# Altium PCB systems_pcb.PcbDoc (part 2 of 2)
Units mm, origin at the board's own origin, x right, y up, seen from the top; angles counter-clockwise.
Board outline 95.88 x 90.17 mm, 4 copper layers (TOP, GND, VCC, BOT), stack 0.778 mm thick; 87 components, 80 nets, 333 pads, 509 vias.
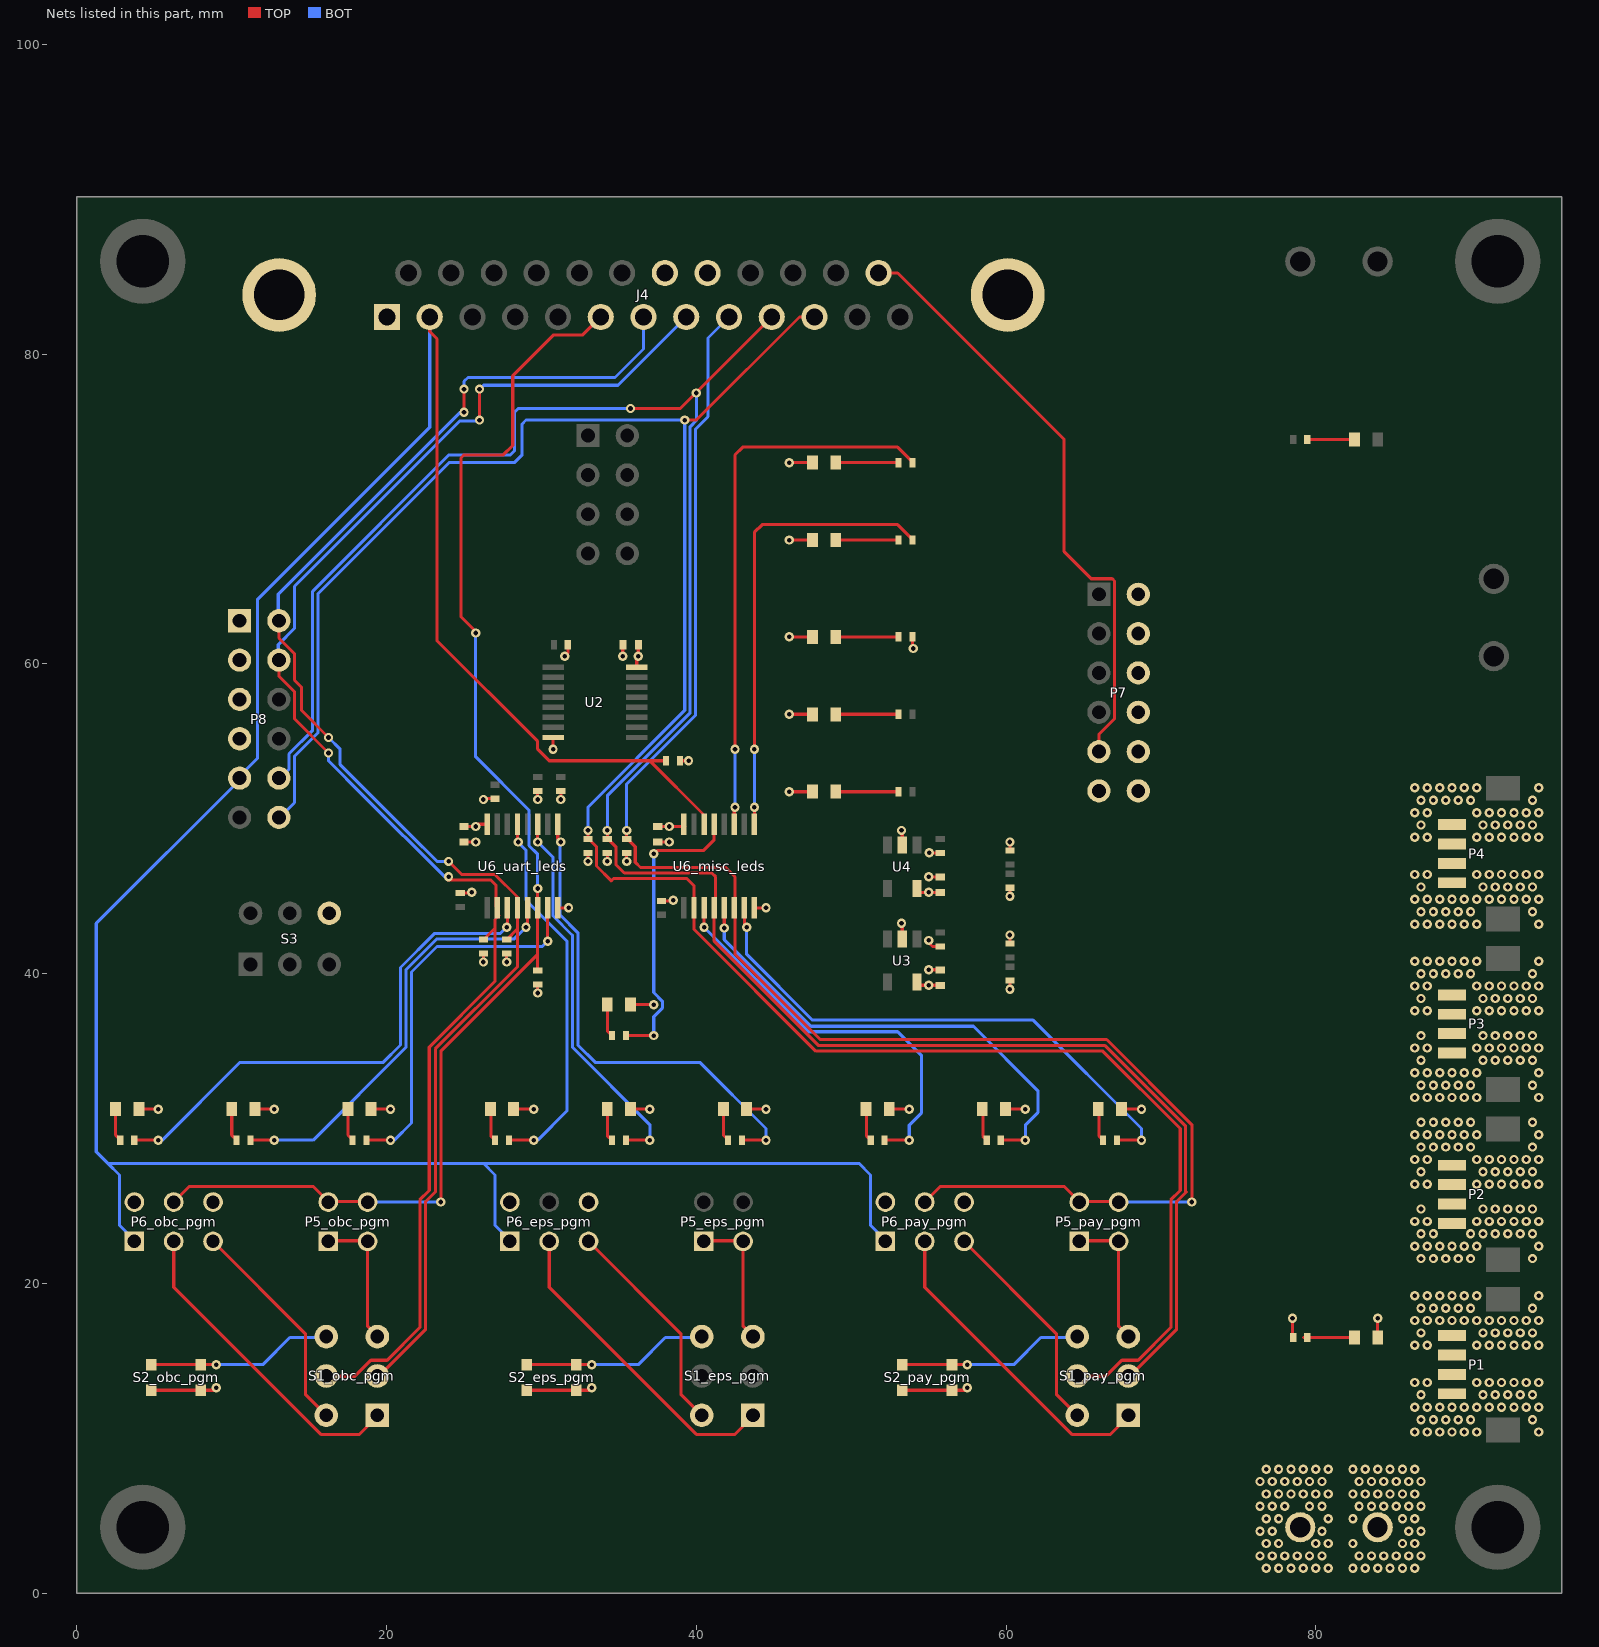
[diagram p4: the nets of this part, all layers, seen from the top]

## Via types
v1: diameter 0.6, hole 0.3, TOP to BOT, tented both sides, 509 vias

## Nets (pads, with @x,y where several pads share a name; then routed paths per layer and width w, separated by ;. In a path a pad name is that pad's centre, name@x,y a point inside that pad or via, vN(x,y) a via of type N, cw(c..) or ccw(c..) an arc to the next point about the centre after c; other vN are vias at no path point) (continued)
GND: C2.1 C3.1 C4.1 C8_misc_leds.1 C8_uart_leds.1 D1_misc_leds.2 D1_uart_leds.2 D2_misc_leds.2 D2_uart_leds.2 D3_misc_leds.2 D3_uart_leds.2 D4_misc_leds.2 D4_uart_leds.2 D5_misc_leds.2 D5_uart_leds.2 D6_misc_leds.2 D6_uart_leds.2 D9.2 D10.2 D11.2 J4.1 J4.20 J4.26 J4.27 P6_eps_pgm.6 P6_obc_pgm.6 P6_pay_pgm.6 P7.8 P7.10 P7.11 P7.12 P8.5 P8.7 R11.1 R12.1 R13.1 R15.1 R16.1 R18.1 R18_misc_leds.1 R18_uart_leds.1 R19.1 R20.1 R28.1 R29.1 S2_eps_pgm.2 S2_obc_pgm.2 S2_pay_pgm.2 U2.8 U3.2 U4.2 U6_misc_leds.8 U6_uart_leds.8 | length 50.2
  TOP w0.2: D1_uart_leds.2@4,31.27 4.02,31.25 v1(5.25,31.25) v1@5.46,31.25 ; S2_obc_pgm.2@4.75,13 4.85,13.1 S2_obc_pgm.2@8,13.1 8.85,13.1 v1(9,13.25) ; D2_uart_leds.2@11.5,31.27 11.52,31.25 v1(12.75,31.25) v1@12.96,31.25 ; D3_uart_leds.2@19,31.27 19.02,31.25 v1(20.25,31.25) v1@20.46,31.25 ; R18_uart_leds.1@24.75,45.2 25.7,45.2 25.65,45.25 v1(25.5,45.25) ; C8_uart_leds.1@25,48.5 v1(25.75,48.5) ; v1(27.75,40.75) R11.1@27.75,41.3 ; D6_uart_leds.2@28.2,31.23 28.22,31.25 v1(29.5,31.25) v1@29.71,31.25 ; S2_eps_pgm.2@29,13 29.1,13.1 S2_eps_pgm.2@32.25,13.1 33.1,13.1 v1(33.25,13.25) ; v1(29.75,38.75) R12.1@29.75,39.3 ; v1(29.75,51.25) R16.1@29.75,51.8 ; v1(30.75,54.5) U2.8@30.75,55.25 ; U6_uart_leds.8@31.05,44.25 v1(31.75,44.25) ; v1(31.25,51.25) R15.1@31.25,51.8 ; v1(31.5,60.5) 31.7,60.7 R13.1@31.7,61.25 ; v1(34.25,47.25) R18.1@34.25,47.75 ; v1(35.25,60.5) C2.1@35.25,61.25 ; v1(35.5,47.25) R19.1@35.5,47.8 ; D5_uart_leds.2@35.75,31.23 35.77,31.25 v1(37,31.25) v1@37.21,31.25 ; D6_misc_leds.2@35.75,38 v1(37.25,38) ; C8_misc_leds.1@37.5,48.5 v1(38.25,48.5) ; R18_misc_leds.1@37.75,44.7 38.45,44.7 v1(38.5,44.75) ; R20.1@38.95,53.75 v1(39.5,53.75) ; D4_uart_leds.2@43.25,31.25 v1(44.5,31.25) ; U6_misc_leds.8@43.75,44.25 v1(44.5,44.25) ; v1(46,51.75) D11.2@47.5,51.75 ; v1(46,56.75) D10.2@47.5,56.75 ; v1(46,61.75) D9.2@47.5,61.75 ; v1(46,68) D4_misc_leds.2@47.5,68 ; v1(46,73) D5_misc_leds.2@47.5,73 ; D1_misc_leds.2@52.46,31.25 v1(53.75,31.25) ; S2_pay_pgm.2@53.25,13 53.35,13.1 S2_pay_pgm.2@56.5,13.1 57.35,13.1 v1(57.5,13.25) ; v1(53.25,43.25) 53.3,43.2 U3.2@53.3,42.25 ; v1(53.25,49.25) 53.3,49.2 U4.2@53.3,48.3 ; v1(55,40.25) C3.1@55.75,40.25 ; v1(55,46.25) C4.1@55.75,46.25 ; D2_misc_leds.2@59.96,31.25 v1(61.25,31.25) ; v1(60.25,39) R28.1@60.25,39.55 ; v1(60.25,45) R29.1@60.25,45.55 ; D3_misc_leds.2@67.46,31.25 v1(68.75,31.25)
LED1_misc_leds: D1_misc_leds.1 R19_misc_leds.1 | length 2.1
  TOP w0.2: D1_misc_leds.1@51,31.25 51,29.51 R19_misc_leds.1@51.26,29.25
LED1_uart_leds: D1_uart_leds.1 R19_uart_leds.1 | length 2.1
  TOP w0.2: D1_uart_leds.1@2.5,31.27 2.5,29.57 R19_uart_leds.1@2.8,29.27
LED2_misc_leds: D2_misc_leds.1 R20_misc_leds.1 | length 2.1
  TOP w0.2: D2_misc_leds.1@58.5,31.25 58.5,29.51 R20_misc_leds.1@58.76,29.25
LED2_uart_leds: D2_uart_leds.1 R20_uart_leds.1 | length 2.1
  TOP w0.2: D2_uart_leds.1@10,31.27 10,29.57 R20_uart_leds.1@10.3,29.27
LED3_misc_leds: D3_misc_leds.1 R21_misc_leds.1 | length 2.1
  TOP w0.2: D3_misc_leds.1@66,31.25 66,29.51 R21_misc_leds.1@66.26,29.25
LED3_uart_leds: D3_uart_leds.1 R21_uart_leds.1 | length 2.1
  TOP w0.2: D3_uart_leds.1@17.5,31.27 17.5,29.57 R21_uart_leds.1@17.8,29.27
LED4_misc_leds: D4_misc_leds.1 R22_misc_leds.1 | length 4
  TOP w0.2: D4_misc_leds.1@49,68 R22_misc_leds.1@53,68
LED4_uart_leds: D4_uart_leds.1 R22_uart_leds.1 | length 2.1
  TOP w0.2: D4_uart_leds.1@41.75,31.25 41.75,29.55 R22_uart_leds.1@42.05,29.25
LED5_misc_leds: D5_misc_leds.1 R23_misc_leds.1 | length 4
  TOP w0.2: D5_misc_leds.1@49,73 R23_misc_leds.1@53,73
LED5_uart_leds: D5_uart_leds.1 R23_uart_leds.1 | length 2.1
  TOP w0.2: D5_uart_leds.1@34.25,31.25 34.25,29.53 R23_uart_leds.1@34.55,29.23
LED6_misc_leds: D6_misc_leds.1 R24_misc_leds.1 | length 2.1
  TOP w0.2: D6_misc_leds.1@34.25,38 34.25,36.3 R24_misc_leds.1@34.55,36
LED6_uart_leds: D6_uart_leds.1 R24_uart_leds.1 | length 2.1
  TOP w0.2: D6_uart_leds.1@26.75,31.25 26.75,29.48 R24_uart_leds.1@27,29.23
MISO_A: J4.2 P6_eps_pgm.1 P6_obc_pgm.1 P6_pay_pgm.1 P8.9 R20.2 U6_misc_leds.14 | length 173.6
  TOP w0.2: J4.2@22.781,82.41 22.781,81.469 23.255,80.995 23.255,61.496 29.75,55.002 29.75,54.5 30.5,53.75 37,53.75 ; R20.2@38,53.75 37,53.75 ; U6_misc_leds.14@40.5,50.25 37,53.75
  BOT w0.2: P6_obc_pgm.1@3.75,22.75 2.75,23.75 2.75,27 2,27.75 ; P8.9@10.5,52.5 1.25,43.25 1.25,28.5 2,27.75 ; P8.9@10.5,52.75 11.648,53.898 11.648,64.148 22.781,75.281 J4.2@22.781,82.41 ; P6_eps_pgm.1@28,22.75 27,23.75 27,27 26.25,27.75 ; P6_pay_pgm.1@52.25,22.75 51.25,23.75 51.25,27 50.5,27.75 26.25,27.75 ; 2,27.75 26.25,27.75
NetD1_1: D1.1 R1.2 | length 3.3
  TOP w0.2: 79.2,16.5 D1.1@82.5,16.5
NetD2_1: D2.1 R2.1 | length 3
  TOP w0.2: R2.1@79.5,74.5 D2.1@82.5,74.5
NetD9_1: D9.1 R21.1 | length 4
  TOP w0.2: D9.1@49,61.75 R21.1@53,61.75
NetD10_1: D10.1 R22.1 | length 4
  TOP w0.2: D10.1@49,56.75 R22.1@53,56.75
NetD11_1: D11.1 R23.1 | length 4
  TOP w0.2: D11.1@49,51.75 R23.1@53,51.75
OBC_MOSI_A/TX: J4.6 P5_obc_pgm.2 P5_obc_pgm.4 P6_obc_pgm.4 R12.2 U6_uart_leds.6 | length 86.8
  TOP w0.2: P6_obc_pgm.4@6,25.25 P6_obc_pgm.4@6.04,25.29 ; P6_obc_pgm.4@6.25,25.25 7.25,26.25 15.27,26.25 P5_obc_pgm.2@16.23,25.29 ; P5_obc_pgm.2@16.25,25.25 16.29,25.29 P5_obc_pgm.4@18.77,25.29 ; v1(23.5,25.25) 23.5,35 29.75,41.25 ; v1(25.75,62) 25.75,62.1 24.8,63.05 24.8,73.3 25,73.5 27.531,73.5 28.143,74.112 28.143,78.607 30.787,81.25 32.665,81.25 J4.6@33.825,82.41 ; R12.2@29.75,40.25 29.75,41.25 ; U6_uart_leds.6@29.75,43.75 29.75,41.25 ; U6_uart_leds.6@29.75,44.75 v1(29.75,45.5)
  BOT w0.2: P5_obc_pgm.4@19.155,24.905 19.125,24.875 18.75,25.25 v1(23.5,25.25) ; v1(25.75,62) 25.75,54 29.198,50.552 29.198,48.271 29.75,47.719 v1(29.75,45.5)
OBC_RST: J4.8 P8.4 R10.1 S1_obc_pgm.5 U6_uart_leds.2 | length 99.3
  TOP w0.2: P8.4@13.044,59.75 13.044,59.206 14.046,58.204 14.046,56.454 v1(16.25,54.25) ; S1_obc_pgm.5@16,14 17.946,14 18.981,15.034 20.034,15.034 22.148,17.148 22.148,25.396 22.75,25.998 22.75,35.25 27,39.5 27,42.95 ; v1(24,46.25) 24,46.105 23.947,46.052 26.729,46.052 27.052,45.729 U6_uart_leds.2@27.052,44.348 ; v1(26,75.75) v1(26,77.75) ; R10.1@26.25,42.2 27,42.95 ; U6_uart_leds.2@27.25,43.75 27,43.5 27,42.95
  BOT w0.2: P8.4@13,60.25 13,61.25 14.046,62.296 14.046,65.011 24.733,75.698 ; v1(16.25,54.25) 16.25,53.75 18.5,51.5 23.75,46.25 v1(24,46.25) ; 24.771,75.698 25.948,75.698 v1(26,75.75) ; v1(26,77.75) 26.25,78 34.937,78 J4.8@39.347,82.41 J4.8@39.16,82.41
OBC_SCK_A/RX: J4.7 P8.2 R11.2 S1_obc_pgm.2 U6_uart_leds.4 | length 96.2
  TOP w0.2: P8.2@13.044,62.29 13.044,61.668 14.046,60.665 14.046,58.954 14.5,58.5 14.5,57 v1(16.25,55.25) ; S1_obc_pgm.2@19.5,14 22.5,17 22.5,25.25 23.148,25.898 23.148,35.148 28.448,40.448 28.448,42.898 ; v1(24,47.25) 24.845,46.405 26.992,46.405 28.45,44.947 U6_uart_leds.4@28.45,44.25 28.448,44.248 U6_uart_leds.4@28.448,43.698 ; v1(25,76.25) v1(25,77.75) ; R11.2@27.75,42.2 28.448,42.898 ; U6_uart_leds.4@28.5,43.75 U6_uart_leds.4@28.448,43.698 ; 28.448,42.898 U6_uart_leds.4@28.448,43.698
  BOT w0.2: P8.2@13,63 13,64.502 24.748,76.25 v1(25,76.25) ; P8.2@13.044,62.79 P8.2@13.044,62.956 ; v1(16.25,55.25) 17,54.5 17,53.5 21.5,49 21.5,48.998 23.248,47.25 v1(24,47.25) ; v1(25,77.75) 25,78.25 25.25,78.5 34.75,78.5 36.586,80.336 J4.7@36.586,82.41
OUT1_misc_leds: R19_misc_leds.2 U6_misc_leds.3 | length 26
  TOP w0.2: v1(40.5,43) U6_misc_leds.3@40.5,44.25 ; R19_misc_leds.2@52.25,29.25 v1(53.75,29.25)
  BOT w0.2: v1(40.5,43) 47.25,36.25 53,36.25 54.552,34.698 54.552,31.021 53.75,30.219 v1(53.75,29.25)
OUT1_uart_leds: R19_uart_leds.2 U6_uart_leds.3 | length 33.9
  TOP w0.2: R19_uart_leds.2@3.75,29.27 v1@5.25,29.27 ; v1(27.75,43) 27.8,43.05 U6_uart_leds.3@27.8,44.25
  BOT w0.2: v1(5.25,29.25) 5.5,29.25 10.5,34.25 19.75,34.25 20.898,35.398 20.898,40.396 23.104,42.602 27.352,42.602 v1(27.75,43)
OUT2_misc_leds: R20_misc_leds.2 U6_misc_leds.5 | length 31.4
  TOP w0.2: v1(41.8,42.95) U6_misc_leds.5@41.8,44.25 ; R20_misc_leds.2@59.75,29.25 v1(61.25,29.25)
  BOT w0.2: v1(41.8,42.95) 41.8,42.198 47.396,36.602 57.898,36.602 62.052,32.448 62.052,31.021 61.25,30.219 v1(61.25,29.25)
OUT2_uart_leds: R20_uart_leds.2 U6_uart_leds.5 | length 27.7
  TOP w0.2: R20_uart_leds.2@11.25,29.25 v1(12.75,29.25) ; v1(29,43) 29.1,43.1 U6_uart_leds.5@29.1,44.25
  BOT w0.2: v1(12.75,29.25) 15.25,29.25 21.25,35.25 21.25,40.25 23.25,42.25 28.25,42.25 v1(29,43)
OUT3_misc_leds: R21_misc_leds.2 U6_misc_leds.7 | length 35.7
  TOP w0.2: v1@43.1,42.9 43.2,43 v1(43.25,43) 43.1,43.15 U6_misc_leds.7@43.1,44.25 ; R21_misc_leds.2@67.25,29.25 v1(68.75,29.25)
  BOT w0.2: v1(43.25,43) 43.25,41.247 47.497,37 61.75,37 68.75,30 v1(68.75,29.25)
OUT3_uart_leds: R21_uart_leds.2 U6_uart_leds.7 | length 24.8
  TOP w0.2: R21_uart_leds.2@18.75,29.25 v1(20.25,29.25) ; v1(30.4,42.1) U6_uart_leds.7@30.4,44.25
  BOT w0.2: v1(20.25,29.25) 20.5,29.25 21.609,30.359 21.609,40.109 23.25,41.75 30.05,41.75 v1(30.4,42.1)
OUT4_misc_leds: R22_misc_leds.2 U6_misc_leds.9 | length 29.7
  TOP w0.2: U6_misc_leds.9@43.75,49.65 v1(43.75,50.75) ; v1(43.75,54.5) 43.75,68.5 44.25,69 53,69 R22_misc_leds.2@54,68
  BOT w0.2: v1(43.75,50.75) v1(43.75,54.5)
OUT4_uart_leds: R22_uart_leds.2 U6_uart_leds.9 | length 31.5
  TOP w0.2: U6_uart_leds.9@31.05,49.65 31.05,48.7 v1(31.25,48.5) ; R22_uart_leds.2@43,29.25 v1(44.5,29.25)
  BOT w0.2: v1(31.25,48.5) 31.198,48.448 31.198,43.801 32.352,42.646 32.352,42.354 32.352,35.398 33.5,34.25 40.25,34.25 44.5,30 v1(44.5,29.25)
OUT5_misc_leds: R23_misc_leds.2 U6_misc_leds.11 | length 36
  TOP w0.2: U6_misc_leds.11@42.45,49.65 42.45,50.7 v1(42.5,50.75) ; v1(42.5,54.5) 42.5,73.5 43,74 53,74 R23_misc_leds.2@54,73
  BOT w0.2: v1(42.5,50.75) v1(42.5,54.5)
OUT5_uart_leds: R23_uart_leds.2 U6_uart_leds.11 | length 24.9
  TOP w0.2: v1(29.75,48.5) U6_uart_leds.11@29.75,49.65 ; R23_uart_leds.2@35.5,29.25 v1(37,29.25)
  BOT w0.2: v1(29.75,48.5) 30.75,47.5 30.75,43.719 31.969,42.5 ; 32,42.5 32,35.25 37,30.25 v1(37,29.25)
OUT6_misc_leds: R24_misc_leds.2 U6_misc_leds.13 | length 19.3
  TOP w0.2: R24_misc_leds.2@35.5,36 v1(37.25,36) ; v1(37.25,47.75) v1@37.323,47.823 ; v1@37.395,47.75 v1@37.323,47.823 ; U6_misc_leds.13@41.15,49.65 41.15,48.65 40.448,47.948 37.448,47.948 v1@37.323,47.823
  BOT w0.2: v1(37.25,36) 37.25,37.219 37.802,37.771 37.802,38.229 37.25,38.781 v1(37.25,47.75)
OUT6_uart_leds: R24_uart_leds.2 U6_uart_leds.13 | length 24.3
  TOP w0.2: R24_uart_leds.2@28,29.25 v1(29.5,29.25) ; U6_uart_leds.13@28.45,49.65 28.45,48.55 v1(28.5,48.5)
  BOT w0.2: v1(28.5,48.5) 28.5,48.47 29,47.97 29,44.75 31.648,42.102 31.648,31.148 29.75,29.25 v1(29.5,29.25)
PAY_MOSI_A/TX: J4.9 P5_pay_pgm.2 P5_pay_pgm.4 P6_pay_pgm.4 R19.2 U6_misc_leds.6 | length 106.8
  TOP w0.2: v1(35.5,49.25) 35.5,48.75 36.052,48.198 36.052,47.198 36.398,46.852 41.898,46.852 42.5,46.25 U6_misc_leds.6@42.5,44.75 ; U6_misc_leds.6@42.5,43.75 42.5,41.248 47.998,35.75 66.498,35.75 71.998,30.25 72,30.25 v1(72,25.25) ; P6_pay_pgm.4@54.5,25.25 P6_pay_pgm.4@54.54,25.29 ; P6_pay_pgm.4@54.75,25.25 55.75,26.25 63.77,26.25 P5_pay_pgm.2@64.73,25.29 ; P5_pay_pgm.2@64.75,25.25 64.79,25.29 P5_pay_pgm.4@67.27,25.29
  BOT w0.2: v1(35.5,49.25) 35.5,52.252 39.955,56.706 39.955,75.175 40.75,75.97 40.75,81.052 J4.9@42.108,82.41 ; P5_pay_pgm.4@67.655,24.905 67.625,24.875 67.25,25.25 v1(72,25.25)
PAY_RST: J4.11 P8.12 R17.1 S1_pay_pgm.5 U6_misc_leds.2 | length 154.9
  TOP w0.2: R17.1@33,48.7 R17.1@33,48.75 ; v1(33,49.25) R17.1@33,48.75 ; v1(39.25,75.75) 40,75.75 46.66,82.41 J4.11@47.63,82.41 ; S1_pay_pgm.5@64.5,14 66.446,14 67.481,15.034 68.534,15.034 70.648,17.148 70.648,25.396 71.25,25.998 ; 71.25,26 71.25,30 66.25,35 47.719,35 39.85,42.869 U6_misc_leds.2@39.85,44.25 39.85,45.681 39.383,46.148 34.648,46.148 34.5,46 33.552,46.948 33.552,48.198 R17.1@33,48.75
  BOT w0.2: P8.12@13,50 14.046,51.046 14.046,54.048 15.574,55.575 15.574,64.545 24.028,73 28.25,73 28.75,73.5 28.75,75.5 29,75.75 32.143,75.75 32.145,75.752 v1@39.25,75.752 ; v1(33,49.25) 33,50.75 39.25,57 v1(39.25,75.75)
PAY_SCK_A/RX: J4.10 P8.10 R18.2 S1_pay_pgm.2 U6_misc_leds.4 | length 148.2
  TOP w0.2: v1(34.25,49.25) 34.25,48.75 34.802,48.198 34.802,47.05 35.352,46.5 41,46.5 41.25,46.25 U6_misc_leds.4@41.25,44.75 ; v1(35.75,76.5) 38.96,76.5 v1@39.96,77.5 ; v1(40,77.5) v1@39.96,77.5 ; U6_misc_leds.4@41.15,44.25 41.15,42.1 47.898,35.352 66.398,35.352 71.602,30.148 71.602,25.852 ; J4.10@44.869,82.41 v1@39.959,77.5 ; S1_pay_pgm.2@68,14 71,17 71,25.25 71.648,25.898
  BOT w0.2: P8.10@13,52.5 13.694,53.194 13.694,54.194 15.221,55.721 15.221,64.691 24.03,73.5 28,73.5 28.25,73.75 28.25,76.25 28.5,76.5 v1(35.75,76.5) ; v1(34.25,49.25) 34.25,51.5 39.602,56.852 39.602,75.321 40,75.719 v1(40,77.5)
RST_PGM_eps_pgm: P6_eps_pgm.5 S1_eps_pgm.4 | length 14.3
  TOP w0.2: P6_eps_pgm.5@33,22.75 P6_eps_pgm.5@33.04,22.71 39,16.75 39,12.829 S1_eps_pgm.4@40.349,11.48
RST_PGM_obc_pgm: P6_obc_pgm.5 S1_obc_pgm.4 | length 14.3
  TOP w0.2: P6_obc_pgm.5@8.75,22.75 P6_obc_pgm.5@8.79,22.71 14.75,16.75 14.75,12.829 S1_obc_pgm.4@16.099,11.48
RST_PGM_pay_pgm: P6_pay_pgm.5 S1_pay_pgm.4 | length 14.3
  TOP w0.2: P6_pay_pgm.5@57.25,22.75 P6_pay_pgm.5@57.29,22.71 63.25,16.75 63.25,12.829 S1_pay_pgm.4@64.599,11.48
RST_RUN_eps_pgm: S1_eps_pgm.6 S2_eps_pgm.1 | length 12
  TOP w0.2: S2_eps_pgm.1@29,14.75 S2_eps_pgm.1@29.05,14.75 S2_eps_pgm.1@32.25,14.75 v1(33.25,14.75)
  BOT w0.2: v1(33.25,14.75) 36.25,14.75 38,16.5 S1_eps_pgm.6@40.25,16.5
RST_RUN_obc_pgm: S1_obc_pgm.6 S2_obc_pgm.1 | length 12
  TOP w0.2: S2_obc_pgm.1@4.75,14.75 S2_obc_pgm.1@4.8,14.75 S2_obc_pgm.1@8,14.75 v1(9,14.75)
  BOT w0.2: v1(9,14.75) 12,14.75 13.75,16.5 S1_obc_pgm.6@16,16.5
RST_RUN_pay_pgm: S1_pay_pgm.6 S2_pay_pgm.1 | length 12
  TOP w0.2: S2_pay_pgm.1@53.25,14.75 S2_pay_pgm.1@53.3,14.75 S2_pay_pgm.1@56.5,14.75 v1(57.5,14.75)
  BOT w0.2: v1(57.5,14.75) 60.5,14.75 62.25,16.5 S1_pay_pgm.6@64.5,16.5
RTC_VBAT: J4.25 P7.9 | length 39.2
  TOP w0.2: J4.25@51.772,85.25 53,85.25 63.75,74.5 63.75,67.25 65.498,65.502 66.855,65.502 67.002,65.355 67.002,63.645 67,63.643 67,62.38 67.002,62.378 67.002,59.005 67,59.002 67,57.401 67.002,57.399 67.002,56.465 66,55.462 P7.9@66,54.34
SCK_PGM_eps_pgm: P6_eps_pgm.3 S1_eps_pgm.1 | length 20.7
  TOP w0.2: P6_eps_pgm.3@30.5,22.75 P6_eps_pgm.3@30.5,22.71 30.5,19.75 40,10.25 42.5,10.25 S1_eps_pgm.1@43.75,11.5
SCK_PGM_obc_pgm: P6_obc_pgm.3 S1_obc_pgm.1 | length 20.7
  TOP w0.2: P6_obc_pgm.3@6.25,22.75 P6_obc_pgm.3@6.25,22.71 6.25,19.75 15.75,10.25 18.25,10.25 S1_obc_pgm.1@19.5,11.5
SCK_PGM_pay_pgm: P6_pay_pgm.3 S1_pay_pgm.1 | length 20.7
  TOP w0.2: P6_pay_pgm.3@54.75,22.75 P6_pay_pgm.3@54.75,22.71 54.75,19.75 64.25,10.25 66.75,10.25 S1_pay_pgm.1@68,11.5
SCK_RUN_eps_pgm: P5_eps_pgm.1 P5_eps_pgm.3 S1_eps_pgm.3 | length 9.3
  TOP w0.2: P5_eps_pgm.1@40.25,22.77 40.327,22.847 P5_eps_pgm.1@40.41,22.847 ; P5_eps_pgm.1@40.5,22.52 P5_eps_pgm.1@40.52,22.5 ; P5_eps_pgm.1@40.5,22.75 43.02,22.75 43.02,17.23 S1_eps_pgm.3@43.75,16.5
SCK_RUN_obc_pgm: P5_obc_pgm.1 P5_obc_pgm.3 S1_obc_pgm.3 | length 9.3
  TOP w0.2: P5_obc_pgm.1@16,22.77 16.077,22.847 P5_obc_pgm.1@16.16,22.847 ; P5_obc_pgm.1@16.25,22.52 P5_obc_pgm.1@16.27,22.5 ; P5_obc_pgm.1@16.25,22.75 18.77,22.75 18.77,17.23 S1_obc_pgm.3@19.5,16.5
SCK_RUN_pay_pgm: P5_pay_pgm.1 P5_pay_pgm.3 S1_pay_pgm.3 | length 9.3
  TOP w0.2: P5_pay_pgm.1@64.5,22.77 64.577,22.847 P5_pay_pgm.1@64.66,22.847 ; P5_pay_pgm.1@64.75,22.52 P5_pay_pgm.1@64.77,22.5 ; P5_pay_pgm.1@64.75,22.75 67.27,22.75 67.27,17.23 S1_pay_pgm.3@68,16.5
SOLAR+: J1.1 P1.3 P1.4 P2.3 P2.4 P3.3 P3.4 P4.3 P4.4 R1.1 | length 1.3
  TOP w0.2: v1(78.5,17.75) 78.5,16.55 R1.1@78.55,16.5
  other v1: 76.8,1.6 77.6,1.6 78.4,1.6 79.2,1.6 80,1.6 80.8,1.6 76.4,2.4 77.2,2.4 78,2.4 78.8,2.4 79.6,2.4 80.4,2.4 76.8,3.2 77.6,3.2 80,3.2 80.8,3.2 76.4,4 77.2,4 80.4,4 76.8,4.8 77.6,4.8 80.8,4.8 76.4,5.6 77.2,5.6 78,5.6 79.6,5.6 80.4,5.6 76.8,6.4 77.6,6.4 78.4,6.4 79.2,6.4 80,6.4 80.8,6.4 76.4,7.2 77.2,7.2 78,7.2 78.8,7.2 79.6,7.2 80.4,7.2 76.8,8 77.6,8 78.4,8 79.2,8 80,8 80.8,8 86.4,10.4 87.2,10.4 88,10.4 88.8,10.4 89.6,10.4 90.4,10.4 94.4,10.4 86.8,11.2 87.6,11.2 88.4,11.2 89.2,11.2 90,11.2 94,11.2 86.4,12 87.2,12 88,12 88.8,12 89.6,12 90.4,12 91.2,12 92,12 92.8,12 93.6,12 94.4,12 86.8,12.8 90.8,12.8 91.6,12.8 92.4,12.8 93.2,12.8 94,12.8 86.4,13.6 87.2,13.6 90.4,13.6 91.2,13.6 92,13.6 92.8,13.6 93.6,13.6 94.4,13.6 86.8,21.6 87.6,21.6 88.4,21.6 89.2,21.6 90,21.6 94,21.6 86.4,22.4 87.2,22.4 88,22.4 88.8,22.4 89.6,22.4 90.4,22.4 94.4,22.4 86.8,23.2 87.6,23.2 90,23.2 90.8,23.2 91.6,23.2 92.4,23.2 93.2,23.2 94,23.2 86.4,24 87.2,24 90.4,24 91.2,24 92,24 92.8,24 93.6,24 94.4,24 86.8,24.8 90.8,24.8 91.6,24.8 92.4,24.8 93.2,24.8 94,24.8 86.4,32 87.2,32 88,32 88.8,32 89.6,32 90.4,32 94.4,32 86.8,32.8 87.6,32.8 88.4,32.8 89.2,32.8 90,32.8 94,32.8 86.4,33.6 87.2,33.6 88,33.6 88.8,33.6 89.6,33.6 90.4,33.6 94.4,33.6 86.8,34.4 90.8,34.4 91.6,34.4 92.4,34.4 93.2,34.4 94,34.4 86.4,35.2 87.2,35.2 90.4,35.2 91.2,35.2 92,35.2 92.8,35.2 93.6,35.2 94.4,35.2 86.8,36 90.8,36 91.6,36 92.4,36 93.2,36 94,36 86.4,43.2 87.2,43.2 88,43.2 88.8,43.2 89.6,43.2 90.4,43.2 94.4,43.2 86.8,44 87.6,44 88.4,44 89.2,44 90,44 94,44 86.4,44.8 87.2,44.8 88,44.8 88.8,44.8 89.6,44.8 90.4,44.8 91.2,44.8 92,44.8 92.8,44.8 93.6,44.8 94.4,44.8 86.8,45.6 90.8,45.6 91.6,45.6 92.4,45.6 93.2,45.6 94,45.6 86.4,46.4 87.2,46.4 90.4,46.4 91.2,46.4 92,46.4 92.8,46.4 93.6,46.4 94.4,46.4
SOLAR-: D1.2 J1.2 P1.1 P1.2 P2.1 P2.2 P3.1 P3.2 P4.1 P4.2 | length 1.3
  TOP w0.2: D1.2@84,16.5 v1(84,17.75)
  other v1: 82.4,1.6 83.2,1.6 84,1.6 84.8,1.6 85.6,1.6 86.4,1.6 82.8,2.4 83.6,2.4 84.4,2.4 85.2,2.4 86,2.4 86.8,2.4 82.4,3.2 85.6,3.2 86.4,3.2 86,4 86.8,4 82.4,4.8 85.6,4.8 86.4,4.8 82.8,5.6 83.6,5.6 84.4,5.6 85.2,5.6 86,5.6 86.8,5.6 82.4,6.4 83.2,6.4 84,6.4 84.8,6.4 85.6,6.4 86.4,6.4 82.8,7.2 83.6,7.2 84.4,7.2 85.2,7.2 86,7.2 86.8,7.2 82.4,8 83.2,8 84,8 84.8,8 85.6,8 86.4,8 86.4,16 87.2,16 90.4,16 91.2,16 92,16 92.8,16 93.6,16 94.4,16 86.8,16.8 90.8,16.8 91.6,16.8 92.4,16.8 93.2,16.8 94,16.8 86.4,17.6 87.2,17.6 88,17.6 88.8,17.6 89.6,17.6 90.4,17.6 91.2,17.6 92,17.6 92.8,17.6 93.6,17.6 94.4,17.6 86.8,18.4 87.6,18.4 88.4,18.4 89.2,18.4 90,18.4 94,18.4 86.4,19.2 87.2,19.2 88,19.2 88.8,19.2 89.6,19.2 90.4,19.2 94.4,19.2 86.4,26.4 87.2,26.4 90.4,26.4 91.2,26.4 92,26.4 92.8,26.4 93.6,26.4 94.4,26.4 86.8,27.2 90.8,27.2 91.6,27.2 92.4,27.2 93.2,27.2 94,27.2 86.4,28 87.2,28 90.4,28 91.2,28 92,28 92.8,28 93.6,28 94.4,28 86.8,28.8 87.6,28.8 88.4,28.8 89.2,28.8 90,28.8 94,28.8 86.4,29.6 87.2,29.6 88,29.6 88.8,29.6 89.6,29.6 90.4,29.6 94.4,29.6 86.8,30.4 87.6,30.4 88.4,30.4 89.2,30.4 90,30.4 94,30.4 86.4,37.6 87.2,37.6 90.4,37.6 91.2,37.6 92,37.6 92.8,37.6 93.6,37.6 94.4,37.6 86.8,38.4 90.8,38.4 91.6,38.4 92.4,38.4 93.2,38.4 94,38.4 86.4,39.2 87.2,39.2 90.4,39.2 91.2,39.2 92,39.2 92.8,39.2 93.6,39.2 94.4,39.2 86.8,40 87.6,40 88.4,40 89.2,40 90,40 94,40 86.4,40.8 87.2,40.8 88,40.8 88.8,40.8 89.6,40.8 90.4,40.8 94.4,40.8 86.4,48.8 87.2,48.8 90.4,48.8 91.2,48.8 92,48.8 92.8,48.8 93.6,48.8 94.4,48.8 86.8,49.6 90.8,49.6 91.6,49.6 92.4,49.6 93.2,49.6 94,49.6 86.4,50.4 87.2,50.4 90.4,50.4 91.2,50.4 92,50.4 92.8,50.4 93.6,50.4 94.4,50.4 86.8,51.2 87.6,51.2 88.4,51.2 89.2,51.2 90,51.2 94,51.2 86.4,52 87.2,52 88,52 88.8,52 89.6,52 90.4,52 94.4,52
VCC3V3: C2.2 C3.2 C4.2 C8_misc_leds.2 C8_uart_leds.2 J4.21 P6_eps_pgm.2 P6_obc_pgm.2 P6_pay_pgm.2 P7.2 P7.4 P7.6 P8.1 P8.3 R10.2 R14.2 R17.2 R21.2 R24.2 R25.2 R26.2 R27.2 S3.6 U2.16 U3.5 U4.5 U6_misc_leds.16 U6_uart_leds.16 | length 12.8
  TOP w0.2: C8_uart_leds.2@25.25,49.5 v1(25.75,49.5) 25.9,49.65 U6_uart_leds.16@26.5,49.65 ; v1(26.25,40.75) R10.2@26.25,41.3 ; v1(26.25,51.25) 26.3,51.3 R14.2@27,51.3 ; v1(33,47.25) R17.2@33,47.75 ; U2.16@36.15,59.8 v1@36.15,60.5 ; v1(36.25,60.5) C2.2@36.25,61.25 ; C8_misc_leds.2@37.5,49.5 v1(38.25,49.5) U6_misc_leds.16@39.25,49.5 ; R21.2@53.95,61.75 53.95,61.05 v1(54,61) ; U3.5@54.25,39.25 v1(55,39.25) C3.2@55.75,39.25 ; U4.5@54.25,45.25 v1(55,45.25) C4.2@55.75,45.25 ; v1@55,42 55.25,41.75 R24.2@55.75,41.75 ; v1(55.05,47.8) R25.2@55.75,47.8 ; R26.2@60.25,41.95 v1(60.25,42.5) ; R27.2@60.25,47.95 v1(60.25,48.5)
  other v1: 55.002,42.148
pads on no net: P1. P2. P3. P4. S3.1 S3.2 S3.3 S3.4 U2.6 U2.7 U2.9 U2.10

## Polygon pours and split planes (outlines as drawn)
BATT+ on VCC "BATT+_L03_P171" (solid, pour order 171): 81.25,89.75 81.25,62.75 95.25,62.75 95.25,55.5 75.25,55.5 75.25,89.75
BATT- on VCC "BATT-_L03_P172" (solid, pour order 172): 81.75,89.75 95.25,89.75 95.25,63.25 81.75,63.25
VCC3V3 on VCC "VCC3V3_L03_P174" (solid, pour order 174): 0,90.3 74.25,90.3 74.25,0 0,0
SOLAR+ on VCC "SOLAR+_L03_P173" (solid, pour order 173): 75.25,54.5 96,54.5 96,0 75.25,0
BATT+ on GND "BATT+_L02_P167" (solid, pour order 167): 81.25,89.75 81.25,62.75 95.25,62.75 95.25,55.5 75.25,55.5 75.25,89.75
GND on GND "GND_L02_P170" (solid, pour order 170): 0,90.3 74.25,90.3 74.25,0 0,0
SOLAR- on GND "SOLAR-_L02_P169" (solid, pour order 169): 75.25,54.5 96,54.5 96,0 75.25,0
BATT- on GND "BATT-_L02_P168" (solid, pour order 168): 81.75,89.75 95.25,89.75 95.25,63.25 81.75,63.25
BATT+ on TOP "BATT+_L01_P165" (solid, pour order 165): 81.25,89.75 81.25,62.75 95.25,62.75 95.25,55.5 75.25,55.5 75.25,89.75
BATT- on TOP "BATT-_L01_P166" (solid, pour order 166): 81.75,89.75 95.25,89.75 95.25,63.25 81.75,63.25
SOLAR+ on TOP "SOLAR+_L01_P156" (solid, pour order 156): 81.25,1 75.5,1 75.5,8.5 81.25,8.5
SOLAR- on TOP "SOLAR-_L01_P155" (solid, pour order 155): 81.75,8.5 87.5,8.5 87.5,1 81.75,1
SOLAR- on TOP "SOLAR-_L01_P161" (solid, pour order 161): 86,53 95,53 95,47.995 86,47.995
SOLAR+ on TOP "SOLAR+_L01_P159" (solid, pour order 159): 86,47.5 95,47.5 95,42.495 86,42.495
SOLAR+ on TOP "SOLAR+_L01_P157" (solid, pour order 157): 86,36.5 95,36.5 95,31.495 86,31.495
SOLAR- on TOP "SOLAR-_L01_P164" (solid, pour order 164): 86,42 95,42 95,36.995 86,36.995
SOLAR- on TOP "SOLAR-_L01_P163" (solid, pour order 163): 86,31 95,31 95,25.995 86,25.995
SOLAR+ on TOP "SOLAR+_L01_P158" (solid, pour order 158): 86,25.5 95,25.5 95,20.495 86,20.495
SOLAR+ on TOP "SOLAR+_L01_P160" (solid, pour order 160): 86,14.5 95,14.5 95,9.495 86,9.495
SOLAR- on TOP "SOLAR-_L01_P162" (solid, pour order 162): 86,20 95,20 95,14.995 86,14.995
BATT+ on BOT "BATT+_L04_P175" (solid, pour order 175): 81.25,89.75 81.25,62.75 95.25,62.75 95.25,55.5 75.25,55.5 75.25,89.75
BATT- on BOT "BATT-_L04_P176" (solid, pour order 176): 81.75,89.75 95.25,89.75 95.25,63.25 81.75,63.25

## Other copper
TOP:
  pour cut-out: 32.178,37.967
  pour cut-out: 29.381,41.31

## Silkscreen, mask and mechanical layers (free items; w line width, h text height)
Top Overlay:
  drawing of 59 lines, arcs and shapes, not listed
  text "+" at 78.25,79 h2
  text "-" at 83.5,79 h2
  text "DO NOT PROBE WHILE ANTENNA CONNECTED" at 22.5,77.75 h1
  text "BATT" at 78.75,76.25 h1.52
  text "CANH" at 46.75,74.5 h1.52
  text "REL_A" at 26,74.25 h1
  text "CANH" at 38,74.25 h1
  text "REL_B" at 26,71.75 h1
  text "CANL" at 38,71.75 h1
  text "HERON MK II" at 10.5,69.75 h1
  text "CANL" at 46.75,69.5 h1.52
  text "SCL" at 28,69.25 h1
  text "CANH" at 38,69.25 h1
  text "SYS-DEBUG V3" at 10.5,68.099 h1
  text "SDA" at 28,66.75 h1
  text "CANL" at 38,66.75 h1
  text "!" at 0.924,65.356 h18
  text "-" at 84.5,64.5 h2
  text "C_GATE" at 58,64 h1
  text "3V3" at 71,64 h1
  text "3V3" at 46.75,63.25 h1.52
  text "3V3" at 5.5,62.25 h1
  text "OBC_SCK" at 15.5,62.25 h1
  text "BATT" at 77.75,62.25 h1.52
  text "D_GATE" at 58,61.5 h1
  text "3V3" at 71,61.5 h1
  text "3V3" at 5.5,59.75 h1
  text "OBC_RST" at 15.5,59.75 h1
  text "+" at 84.5,59.5 h2
  text "5V" at 62,59 h1
  text "3V3" at 71,59 h1
  text "5V" at 46.75,58.25 h1.52
  text "GND" at 5.5,57.25 h1
  text "EPS_SCK" at 15.5,57.25 h1
  text "+PACK" at 59,56.5 h1
  text "GND" at 71,56.5 h1
  text "GND" at 5.5,54.75 h1
  text "EPS_RST" at 15.5,54.75 h1
  text "RTC_BAT" at 57.25,54 h1
  text "GND" at 71,54 h1
  text "+PACK" at 46.75,53.25 h1.52
  text "MISO" at 4.75,52.25 h1
  text "PAY_SCK" at 15.5,52.25 h1
  text "GND" at 61,51.5 h1
  text "GND" at 71,51.5 h1
  text "TR_UART" at 1.75,49.75 h1
  text "PAY_RST" at 15.5,49.75 h1
  text "TRANS-UART" at 9,45.75 h1
  text "MISO" at 33.75,39.5 h1
  text "EN<->DIS" at 10,36.75 h1
  text "OBC" at 2,35.77 h1.52
  text "EPS" at 26.25,35.73 h1.52
  text "PAY" at 50.46,35.73 h1.52
  text "RST" at 2,32.75 h1
  text "RX" at 9.5,32.75 h1
  text "TX" at 17,32.75 h1
  text "RST" at 26.25,32.75 h1
  text "RX" at 33.75,32.75 h1
  text "TX" at 41.25,32.75 h1
  text "RST" at 50.46,32.75 h1
  text "RX" at 57.96,32.75 h1
  text "TX" at 65.46,32.75 h1
  text "TX" at 21.25,24.75 h1
  text "TX" at 45.5,24.75 h1
  text "TX" at 45.5,24.75 h1
  text "TX" at 69.75,24.75 h1
  text "TX" at 69.75,24.75 h1
  text "RX" at 21.25,22.25 h1
  text "RX" at 45.5,22.25 h1
  text "RX" at 45.5,22.25 h1
  text "RX" at 69.75,22.25 h1
  text "RX" at 69.75,22.25 h1
  text "RUN<->PGM" at 21.75,18.52 h1 r270
  text "RUN<->PGM" at 46,18.52 h1 r270
  text "RUN<->PGM" at 46,18.52 h1 r270
  text "RUN<->PGM" at 70.25,18.52 h1 r270
  text "RUN<->PGM" at 70.25,18.52 h1 r270
  text "PGM" at 5,18.27 h1
  text "PGM" at 29.25,18.27 h1
  text "PGM" at 29.25,18.27 h1
  text "PGM" at 53.5,18.27 h1
  text "PGM" at 53.5,18.27 h1
  text "SOLAR" at 78,13 h1.52
  text "RESET" at 4,11 h1
  text "RESET" at 28.25,11 h1
  text "RESET" at 28.25,11 h1
  text "RESET" at 52.5,11 h1
  text "RESET" at 52.5,11 h1
  text "+" at 78.25,9.75 h2
  text "-" at 83.5,9.75 h2
Route Tool Path:
  the board outline again, w0.2

## Text inside footprints (layer, text, board x,y; h text height)
J4: Top Overlay "1" at 9,81.25 h0.8; Top Overlay "13" at 64,81.25 h0.8; Top Overlay "14" at 8,82.75 h0.8; Top Overlay "25" at 64,82.75 h0.8